# Altium PCB Armor_Plate.PcbDoc
Units mil, origin at the board's own origin, x right, y up, seen from the top; angles counter-clockwise.
Board outline 3169.29 x 1997.99 mil, 2 copper layers (Top Layer, Bottom Layer); 104 components, 85 nets, 406 pads, 162 vias.
Unrouted connection lines stored in the file: 7.
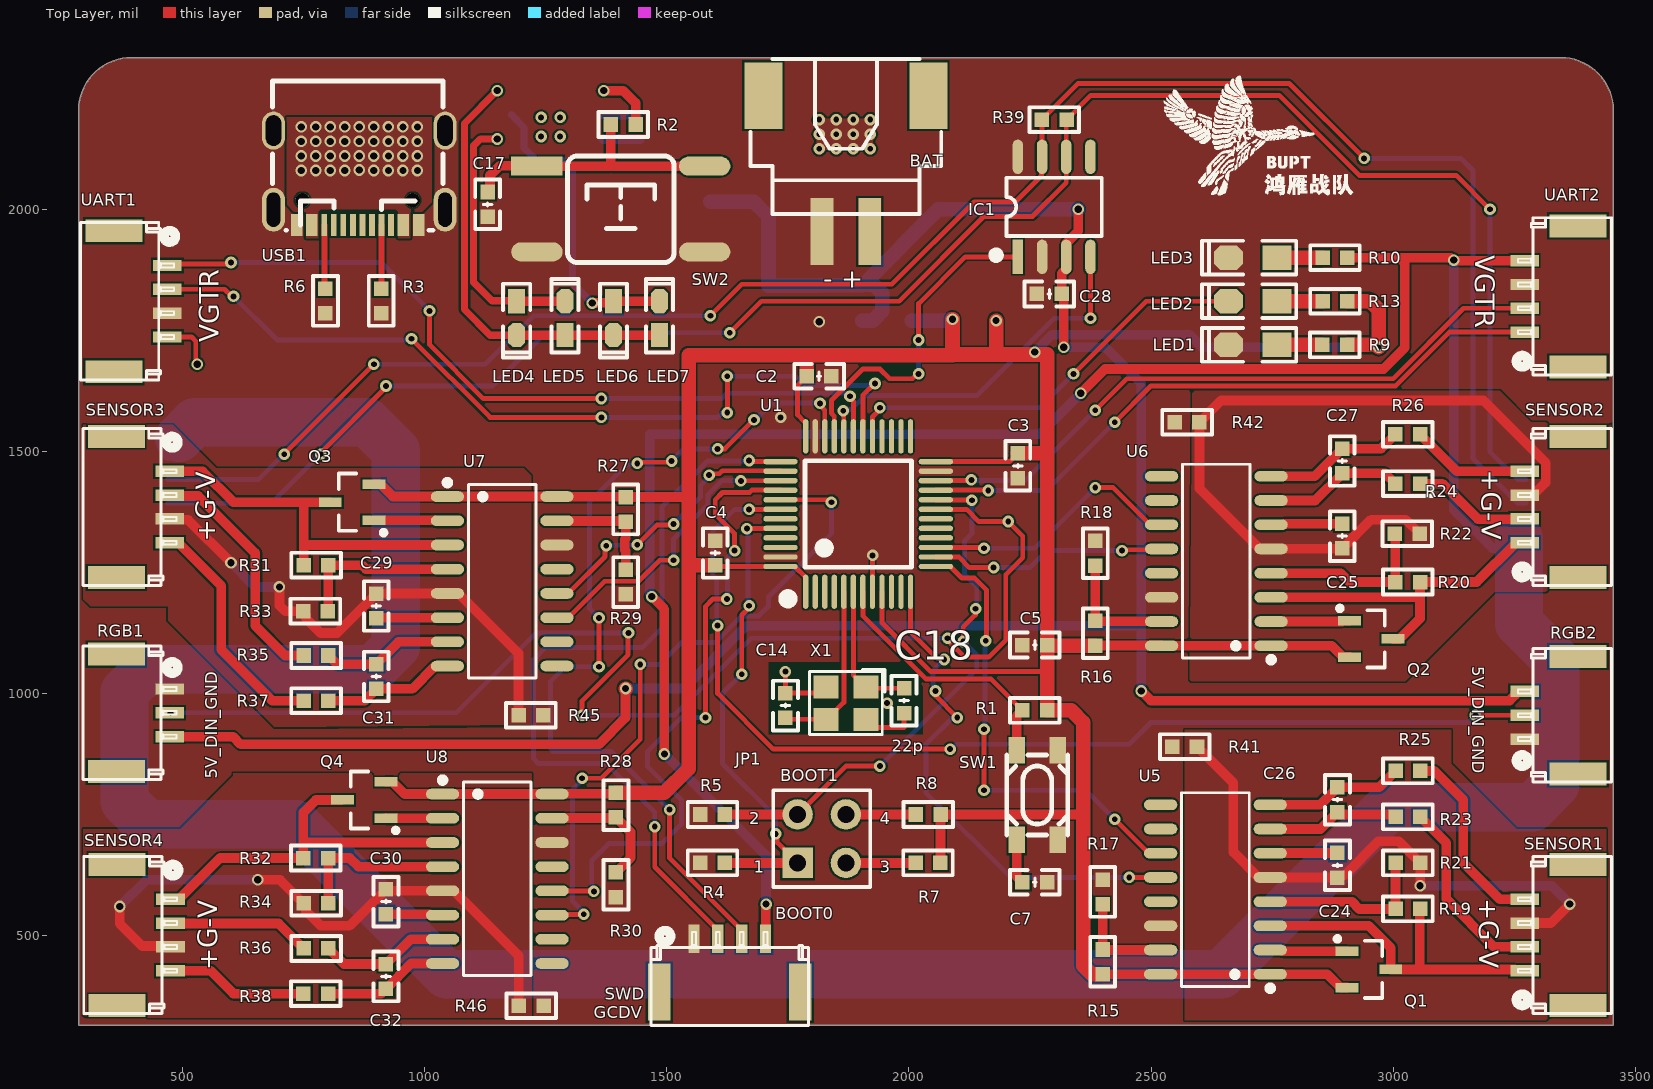
[diagram p0: Top Layer view]
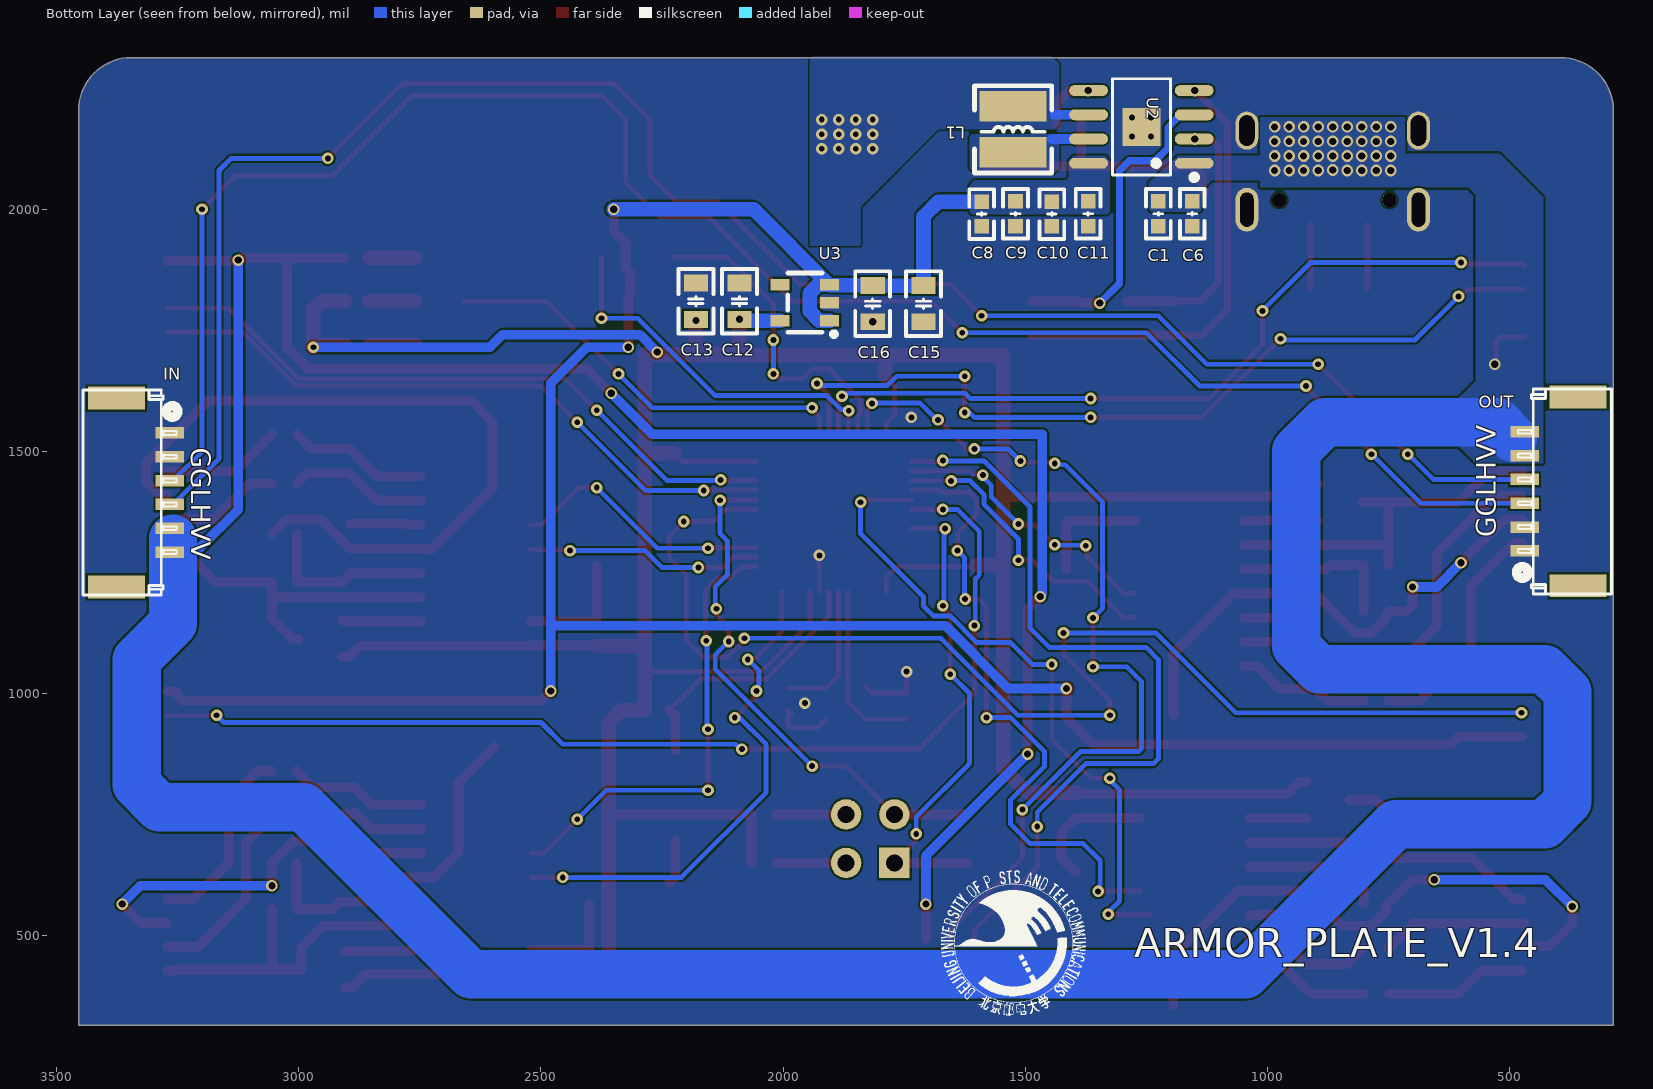
[diagram p1: Bottom Layer view, seen from below]

## Layer stack, top to bottom
Top Solder: solder mask 0.4, Solder Resist, Dk 3.5
Top Layer: signal copper 1.4
Dielectric 1: dielectric 12.6, FR-4, Dk 4.8
Bottom Layer: signal copper 1.4
Bottom Solder: solder mask 0.4, Solder Resist, Dk 3.5

## Board outline
285.43,315 3454.72,315 3454.72,2204.72 ccw(c3346.46,2204.72) 3346.46,2312.99 393.7,2312.99 ccw(c393.7,2204.72) 285.43,2204.72

## Design rules (kind name [scope] priority, off if disabled: settings)
Clearance [All] p1: gap=4 ignorepadtopadclearanceinfootprint=TRUE
HoleSize [All] p1: absolutevalues=TRUE maxlimit=300 minlimit=1 maxpercent=80.000 minpercent=20.000
MinimumSolderMaskSliver [All] p1: minsoldermaskwidth=0.1
PlaneConnect [All] p1: planeconnectstyle=Direct reliefexpansion=20 reliefentries=4 reliefconductorwidth=10 reliefairgap=10
PolygonConnect [All] p1: connectstyle=Direct reliefconductorwidth=10 reliefentries=4 polygonreliefangle="90 Angle" airgapwidth=10
RoutingVias [All] p1: holewidth=10 width=20 viastyle="Through Hole" minholewidth=5 minwidth=10 maxholewidth=100 maxwidth=150
SilkToSilkClearance [All] p1: silktosilkclearance=1
SilkToSolderMaskClearance [IsPad] p1 off: minsilkscreentomaskgap=1 clearancetoexposedcopper=TRUE
SolderMaskExpansion [All] p1: expansion=4 istentingtop=FALSE
Width [All] p1: maxlimit=100 minlimit=8 preferedwidth=10
25 further rules are at their usual default settings.

## Components (designator, comment, footprint, x,y, rotation, side; value= is the part's Value field where it differs from the comment)
BAT "HDR-1X2" XH2.54-WS-2P 1870,2150 r180 top
C1 "104" "C 0603_L" 1225,1990.59 r90 bottom
C2 "104" "C 0603_L" 1814.41,1655 r180 top
C3 "104" "C 0603_L" 2225,1470 r90 top
C4 "104" "C 0603_L" 1600,1290 r270 top
C5 "104" "C 0603_L" 2260,1100 r0 top
C6 "10u" "C 0603_L" 1155,1990.59 r90 bottom
C7 "104" "C 0603_L" 2260,610 r180 top
C8 "22u" "C 0603_L" 1590.01,1990 r90 bottom
C9 "22u" "C 0603_L" 1520,1990.59 r90 bottom
C10 "22u" "C 0603_L" 1445.01,1990 r90 bottom
C11 "22u" "C 0603_L" 1370,1990.59 r90 bottom
C12 "47u" "C 0805_L" 2090,1810 r270 bottom
C13 "104" "C 0805_L" 2180,1810 r270 bottom
C14 "22p" "C 0603_L" 1745,975 r90 top
C15 "47u" "C 0805_L" 1710,1805 r90 bottom
C16 "104" "C 0805_L" 1815,1805 r90 bottom
C17 "104" "C 0603_L" 1130,2010 r90 top
C18 "22p" "C 0603_L" 1990,985 r270 top
C24 "104" "C 0603_L" 2885,645 r270 top
C25 "104" "C 0603_L" 2895,1325 r270 top
C26 "104" "C 0603_L" 2885,780.59 r270 top
C27 "104" "C 0603_L" 2895,1480 r270 top
C28 "104" "C 0603_L" 2290,1825 r180 top
C29 "104" "C 0603_L" 900,1180.59 r90 top
C30 "104" "C 0603_L" 920,570 r90 top
C31 "104" "C 0603_L" 900,1035 r90 top
C32 "104" "C 0603_L" 920,415.59 r90 top
IC1 "TJA1050" SOP8_N 2300,2005 r90 top
IN "HDR-1X6" GH1.25-WS-6P 3365,1415 r90 bottom
JP1 "Header2X2" HDR2.54-LI-2x2P 1820,700 r0 top
L1 "1uH" CD31 1525,2165 r90 bottom
LED1 "红色" "LED 0805R" 2710,1720 r180 top
LED2 "蓝色" "LED 0805B" 2710,1810 r180 top
LED3 "红色" "LED 0805R" 2710,1900 r180 top
LED4 "25%" "LED 0603G" 1189.74,1775 r270 top
LED5 "50%" "LED 0603G" 1290.26,1775 r90 top
LED6 "75%" "LED 0603G" 1389.74,1775 r270 top
LED7 "100%" "LED 0603G" 1485.26,1775 r90 top
OUT "HDR-1X6" GH1.25-WS-6P 370,1417.32 r270 bottom
Q1 "SS8550" SOT23-3N 2950,430 r270 top
Q2 "SS8550" SOT23-3N 2955,1112.6 r270 top
Q3 "SS8550" SOT23-3N 850,1395 r90 top
Q4 "SS8550" SOT23-3N 875,780 r90 top
R1 "10K" "R 0603_L" 2260,965 r0 top
R2 "4.7K" "R 0603_L" 1410,2175 r0 top
R3 "5.1K" "R 0603_L" 910,1810.59 r90 top
R4 "10K" "R 0603_L" 1594.41,650 r0 top
R5 "10K" "R 0603_L" 1594.41,750 r180 top
R6 "5.1K" "R 0603_L" 795,1810.59 r90 top
R7 "1K" "R 0603_L" 2039.41,650 r180 top
R8 "1K" "R 0603_L" 2040,750 r0 top
R9 "4.7K" "R 0603_L" 2879.41,1720 r0 top
R10 "10K" "R 0603_L" 2880,1900 r0 top
R13 "4.7K" "R 0603_L" 2880,1810 r180 top
R15 "0" "R 0603_L" 2400,445.59 r270 top
R16 "0" "R 0603_L" 2385,1124.41 r270 top
R17 "0" "R 0603_L" 2400,590 r90 top
R18 "0" "R 0603_L" 2385,1289.41 r90 top
R19 "10K" "R 0603_L" 3030.59,555 r180 top
R20 "10K" "R 0603_L" 3030,1230 r180 top
R21 "10K" "R 0603_L" 3030.59,650 r180 top
R22 "10K" "R 0603_L" 3029.41,1330 r180 top
R23 "100" "R 0603_L" 3030.59,745 r180 top
R24 "100" "R 0603_L" 3029.99,1433.33 r180 top
R25 "100" "R 0603_L" 3030.59,840 r0 top
R26 "100" "R 0603_L" 3030,1535 r0 top
R27 "0" "R 0603_L" 1415,1380 r90 top
R28 "0" "R 0603_L" 1395,769.41 r90 top
R29 "0" "R 0603_L" 1415,1230 r270 top
R30 "0" "R 0603_L" 1395,605 r270 top
R31 "10K" "R 0603_L" 775.59,1265 r0 top
R32 "10K" "R 0603_L" 775,660 r0 top
R33 "10K" "R 0603_L" 774.41,1170 r0 top
R34 "10K" "R 0603_L" 775.59,566.67 r0 top
R35 "100" "R 0603_L" 775.59,1078.34 r0 top
R36 "100" "R 0603_L" 775.59,473.34 r0 top
R37 "100" "R 0603_L" 775.59,985 r180 top
R38 "100" "R 0603_L" 775,380 r180 top
R39 "120" "R 0603_L" 2300,2185 r0 top
R41 "0" "R 0603_L" 2569.41,890 r180 top
R42 "0" "R 0603_L" 2574.41,1560 r180 top
R45 "0" "R 0603_L" 1219.41,955 r0 top
R46 "0" "R 0603_L" 1220,355 r0 top
RGB1 "HDR-1X3" GH1.25-WS-3P 375,960 r90 top
RGB2 "HDR-1X3" GH1.25-WS-3P 3370,955 r270 top
SENSOR1 "HDR-1X4" GH1.25-WS-4P 3370,501.18 r270 top
SENSOR2 "HDR-1X4" GH1.25-WS-4P 3370,1385 r270 top
SENSOR3 "HDR-1X4" GH1.25-WS-4P 375,1385 r90 top
SENSOR4 "HDR-1X4" GH1.25-WS-4P 376.57,501.18 r90 top
SW1 "ST-1188" SW-SMD_4P-L4.2-W3.2-P2.15-LS5.2 2265,790 r180 top
SW2 "6x6x5" "TSW SMD-6*6*4.3" 1405,2000 r0 top
SWD "HDR-1X4" GH1.25-WS-4P 1630,395 r180 top
U1 "STM32F103C8T6A" "LQFP48 7X7_N" 1895.16,1370.45 r0 top
U2 "IP5306" SOP-8-EX 1150.98,2095 r0 bottom
U3 "RT9013-33GB" SOT-23-5_L3.0-W1.7-P0.95-LS2.8-BR 1955,1805 r180 bottom
U5 "HX711" SOP-16_L10.0-W3.9-P1.27-LS6.0-BL 2633.09,591.56 r90 top
U6 "HX711" SOP-16_L10.0-W3.9-P1.27-LS6.0-BL 2635,1270 r90 top
U7 "HX711" SOP-16_L10.0-W3.9-P1.27-LS6.0-BL 1160,1235 r270 top
U8 "HX711" SOP-16_L10.0-W3.9-P1.27-LS6.0-BL 1150,620.65 r270 top
UART1 "HDR-1X4" GH1.25-WS-4P 370,1810 r90 top
UART2 "HDR-1X4" GH1.25-WS-4P 3370,1820 r270 top
USB1 "" USB-C-SMD_KH-TYPE-C-16P 865,2065 r180 top
X1 "8M" "OSC 3225-4P" 1870,980 r180 top

## Footprints (in the part's own frame and the unit in brackets; to place one, negate y for a bottom-side part, rotate by r counter-clockwise, add the part's x,y. Pads: shape width x height; smd on the part's side, far side on the other; paste and mask are expansions set on the pad)
"C 0603_L" [mil] "无极性贴片电容"
  rect 30x30 smd: 1(-25.59,0) 2(25.59,0)
  silkscreen extent -51,-26 51,26, body extent -31,-16 31,16, height 32
"C 0805_L" [mil] "无极性贴片电容"
  rect 35x50 smd: 1(-37.4,0) 2(37.4,0)
  silkscreen extent -67,-36 67,36, body extent -39,-24 39,24, height 20
CD31 [mm] "3.5*3*1mm（长宽高）"
  rect 1.6x3.5 smd: 1(-1.2,0) 2(1.2,0)
  silkscreen extent -2.29,-2.03 2.29,2.03, body extent -1.72,-1.5 1.72,1.5, height 1.2
GH1.25-WS-3P [mm] "A1257WR-S-3P"
  rect 1.2x3 smd: 0(-3.075,0.3) 0(3.075,0.3)
  rect 0.6x1.5 smd: 1(1.25,-2.5) 2(0,-2.5) 3(-1.25,-2.5)
  silkscreen extent -3.5,-2.93 3.5,2.05, body extent -3.5,-2.8 3.5,2.1, height 4.4
GH1.25-WS-4P [mm] "A1257WR-S-4P"
  rect 1.2x3 smd: 0(-3.7,0.3) 0(3.7,0.3)
  rect 0.6x1.5 smd: 1(1.875,-2.5) 2(0.625,-2.5) 3(-0.625,-2.5) 4(-1.875,-2.5)
  silkscreen extent -4.13,-2.93 4.12,2.05, body extent -4.12,-2.8 4.12,2.1, height 4.4
GH1.25-WS-6P [mm] "A1257WR-S-6P"
  rect 1.2x3 smd: 0(-4.95,0.3) 0(4.95,0.3)
  rect 0.6x1.5 smd: 1(3.125,-2.5) 2(1.875,-2.5) 3(0.625,-2.5) 4(-0.625,-2.5) 5(-1.875,-2.5) 6(-3.125,-2.5)
  silkscreen extent -5.38,-2.93 5.37,2.05, body extent -5.38,-2.8 5.38,2.1, height 4.4
HDR2.54-LI-2x2P [mm]
  rect 1.6x1.6 hole 0.9: 1(-1.27,-1.27)
  round 1.6 hole 0.9: 2(-1.27,1.27) 3(1.27,-1.27) 4(1.27,1.27)
  silkscreen extent -2.54,-2.54 2.54,2.54, body extent -2.54,-2.54 2.54,2.54, height 8.5
"LED 0603G" [mil] "绿色0603LED"
  rect 50x35 smd: 1(-35,0.26)
  oct 50x35 smd: 2(35,0.26)
  silkscreen extent -71,-28 81,28, body extent -31,-16 31,16, height 24
"LED 0805B" [mil] "蓝色0805LED"
  rect 60x50 smd: 1(-50,0)
  oct 60x50 smd: 2(50,0)
  silkscreen extent -90,-35 105,35, body extent -39,-25 39,25, height 32
"LED 0805R" [mil] "红色0805LED"
  rect 60x50 smd: 1(-50,0)
  oct 60x50 smd: 2(50,0)
  silkscreen extent -90,-35 105,35, body extent -39,-25 39,25, height 32
"LQFP48 7X7_N" [mm] "48脚，体宽7x7mm，脚距0.5mm  https://item.taobao.com/item.htm?ft=t&id=613637044352"
  oval 0.279x1.8 smd: 1(-2.75,-4.075) 2(-2.25,-4.075) 3(-1.75,-4.075) 4(-1.25,-4.075) 5(-0.75,-4.075) 6(-0.25,-4.075) 7(0.25,-4.075) 8(0.75,-4.075) 9(1.25,-4.075) 10(1.75,-4.075) 11(2.25,-4.075) 12(2.75,-4.075) 25(2.75,4.075) 26(2.25,4.075) 27(1.75,4.075) 28(1.25,4.075) 29(0.75,4.075) 30(0.25,4.075) 31(-0.25,4.075) 32(-0.75,4.075) 33(-1.25,4.075) 34(-1.75,4.075) 35(-2.25,4.075) 36(-2.75,4.075)
  oval 1.8x0.279 smd: 13(4.075,-2.75) 14(4.075,-2.25) 15(4.075,-1.75) 16(4.075,-1.25) 17(4.075,-0.75) 18(4.075,-0.25) 19(4.075,0.25) 20(4.075,0.75) 21(4.075,1.25) 22(4.075,1.75) 23(4.075,2.25) 24(4.075,2.75) 37(-4.075,2.75) 38(-4.075,2.25) 39(-4.075,1.75) 40(-4.075,1.25) 41(-4.075,0.75) 42(-4.075,0.25) 43(-4.075,-0.25) 44(-4.075,-0.75) 45(-4.075,-1.25) 46(-4.075,-1.75) 47(-4.075,-2.25) 48(-4.075,-2.75)
  silkscreen extent -3.93,-4.69 2.79,2.79, body extent -4.5,-4.5 4.5,4.5, height 1.45
"OSC 3225-4P" [mm] "3.2*2.5*0.7mm(长宽高)  淘宝ID:小糖豆的小窝窝"
  rect 1.3x1.2 smd: 1(-1.05,-0.85) 2(1.05,-0.85) 3(1.05,0.85) 4(-1.05,0.85)
  silkscreen extent -2.03,-1.75 1.91,1.65, body extent -1.6,-1.25 1.6,1.25, height 0.7
"R 0603_L" [mil] "1/10W贴片电阻 https://item.taobao.com/item.htm?ft=t&id=613637044352"
  rect 30x30 smd: 1(-25.59,0) 2(25.59,0)
  silkscreen extent -51,-26 51,26, body extent -31,-16 32,16, height 16
SOP8_N [mm] "5*6*1.8mm（长宽高）淘宝ID:小糖豆的小窝窝"
  rect 1.8x0.55 smd: 1(-2.625,1.905)
  oval 1.8x0.55 smd: 2(-2.625,0.635) 3(-2.625,-0.635) 4(-2.625,-1.905) 5(2.625,-1.905) 6(2.625,-0.635) 7(2.625,0.635) 8(2.625,1.905)
  silkscreen extent -2.69,-2.5 1.52,3.2, body extent -3,-2.5 3,2.5, height 1.9
SOP-8-EX [mm]
  oval 2.038x0.574 smd: 1(0,0) 2(0,-1.27) 3(0,-2.54) 4(0,-3.81) 5(5.538,-3.81) 6(5.538,-2.54) 7(5.538,-1.27) 8(5.538,0)
  rect 2x2 smd: 9(2.769,-1.905)
  silkscreen extent -0.15,-4.43 4.29,0.89, body extent -0.35,-4.47 5.69,0.55, height 1.6
SOP-16_L10.0-W3.9-P1.27-LS6.0-BL [mm]
  oval 0.56x1.745 smd: 1(-4.357,-2.873) 2(-3.087,-2.873) 3(-1.817,-2.873) 4(-0.547,-2.873) 5(0.723,-2.873) 6(1.993,-2.873) 7(3.263,-2.873) 8(4.533,-2.873) 9(4.533,2.873) 10(3.263,2.873) 11(1.993,2.873) 12(0.723,2.873) 13(-0.547,2.873) 14(-1.817,2.873) 15(-3.087,2.873) 16(-4.357,2.873)
  silkscreen extent -5.24,-3.02 5.16,1.77
SOT23-3N [mm] "3x1.3x1mm(长宽高)"
  rect 0.5x1.2 smd: 1(-0.95,-1.143) 2(0.95,-1.143) 3(0,1.143)
  silkscreen extent -1.72,-1.78 1.5,0.7, body extent -1.5,-1.2 1.5,1.2, height 1.05
SOT-23-5_L3.0-W1.7-P0.95-LS2.8-BR [mm]
  rect 1x0.6 smd: 1(1.3,-0.899) 2(1.3,0.05) 3(1.3,1) 4(-1.3,1.001) 5(-1.3,-0.899)
  silkscreen extent -0.9,-1.73 1.65,1.6
SW-SMD_4P-L4.2-W3.2-P2.15-LS5.2 [mil]
  rect 33.5x55.1 smd mask+2: 1(42.3,92.5) 2(42.3,-92.5) 3(-42.3,92.5) 4(-42.3,-92.5)
  silkscreen extent -63,-83 63,83
"TSW SMD-6*6*4.3" [mm] "6*6*4.3mm"
  rect 2.7x1 smd: 1(-4.4,2.261)
  oval 2.7x1 smd: 2(-4.4,-2.239) 3(4.4,-2.239) 4(4.4,2.261)
  silkscreen extent -2.79,-2.79 2.79,2.79, body extent -4.5,-3 4.5,3, height 4.25
USB-C-SMD_KH-TYPE-C-16P [mm]
  oval 1.2x2 hole 0.8 slot 1.6 at 90 deg: 17(-4.5,-2.475) 19(4.5,-2.475)
  oval 1.2x2.3 hole 0.7 slot 1.8 at 90 deg: 18(-4.5,1.675) 20(4.5,1.675)
  rect 0.3x1.15 smd: A1(-3.263,2.473) A4(-2.462,2.471) A5(-1.162,2.475) A6(-0.162,2.475) A7(0.337,2.473) A9(2.638,2.475) A12(3.438,2.475) B1(3.138,2.475) B4(2.337,2.475) B5(1.838,2.475) B6(0.838,2.475) B7(-0.663,2.473) B9(-2.162,2.471) B12(-2.963,2.473)
  rect 0.3x1.148 smd: A8(-1.663,2.475) B8(1.337,2.475)
  round 0.75 hole 0.75 unplated: ""(-2.803,1.175) ""(2.978,1.175)
  silkscreen extent -4.38,-5.07 4.56,2.75, body extent -4.34,-5.14 4.6,2.76, height 3.25
XH2.54-WS-2P [mm] "长：10mm，宽：8mm，高：6.1mm"
  rect 2x3.5 smd: 0(-4.327,-2.15) 0(4.327,-2.15)
  rect 1.2x3.5 smd: 1(-1.25,4.981) 2(1.25,4.981)
  silkscreen extent -5,-4.06 5,4.06, body extent -5,-4 5,6.42, height 6.05

## Part data
BAT: library part "Header 2", "2P接插件", BOM名称=2P接插件, 下单链接=https://item.taobao.com/item.htm?ft=t&id=613637044352, 淘宝ID=小糖豆的小窝窝
C1 C2 C3 C4 C5 C6 C7 C8 C9 C10 C11 C12 C13 C14 C15 C16 C17 C18 C24 C25 C26 C27 C28 C29 C30 C31 C32: library part C, "贴片电容", BOM名称=贴片电容, 下单链接=https://item.taobao.com/item.htm?ft=t&id=613637044352, 淘宝ID=小糖豆的小窝窝
IC1: "CAN总线收发芯片", Alias1=https://item.taobao.com/item.htm?ft=t&id=613637044352, BOM名称=CAN总线收发芯片, 淘宝ID=小糖豆的小窝窝
IN OUT: library part "Header 6", "6P接插件", BOM名称=6P接插件, 下单链接=https://item.taobao.com/item.htm?ft=t&id=613637044352, 淘宝ID=小糖豆的小窝窝
JP1: library part "Header 2X2", "2*2P接插件", BOM名称=2*2P接插件, 下单链接=https://item.taobao.com/item.htm?ft=t&id=613637044352, 淘宝ID=小糖豆的小窝窝
L1: library part L-SMD, "CD系列贴片线绕功率电感", BOM名称=CD系列贴片线绕功率电感, 下单链接=https://item.taobao.com/item.htm?ft=t&id=613637044352, 淘宝ID=小糖豆的小窝窝
LED1 LED2 LED3 LED4 LED5 LED6 LED7: library part LED-SMD, "贴片LED", BOM名称=贴片LED, 下单链接=https://item.taobao.com/item.htm?ft=t&id=613637044352, 淘宝ID=小糖豆的小窝窝
Q1 Q2 Q3 Q4: library part 8550-SMD, "高频放大-PNP型", BOM名称=高频放大-PNP型, 下单链接=https://item.taobao.com/item.htm?ft=t&id=613637044352, 淘宝ID=小糖豆的小窝窝
R1 R2 R3 R4 R5 R6 R7 R8 R9 R10 R13 R15 R16 R17 R18 R19 R20 R21 R22 R23 R24 R25 R26 R27 R28 R29 R30 R31 R32 R33 R34 R35 R36 R37 R38 R39 R41 R42 R45 R46: library part R, "贴片电阻", BOM名称=贴片电阻, 下单链接=https://item.taobao.com/item.htm?ft=t&id=613637044352, 淘宝ID=小糖豆的小窝窝
RGB1 RGB2: library part "Header 3", "3P接插件", BOM名称=3P接插件, 下单链接=https://item.taobao.com/item.htm?ft=t&id=613637044352, 淘宝ID=小糖豆的小窝窝
SENSOR1 SENSOR2 SENSOR3 SENSOR4 SWD UART1 UART2: library part "Header 4", "4P接插件", BOM名称=4P接插件, 下单链接=https://item.taobao.com/item.htm?ft=t&id=613637044352, 淘宝ID=小糖豆的小窝窝
SW1: library part SW-SMD_4P-L4.2-W3.2-P2.15-LS5.2, Actuator/Cap Color=白色, Contact Current=50mA, Insulation Resistance=100MΩ, JLCPCB Part Class="Extended Part", LCSC Part Name=轻触开关四脚正按, Manufacturer=RISHENG(日昇), Operating Force=250gf@±50gf, Operating Temperature=-20℃~+85℃, Voltage Rating (DC)=12V, Actuator Style=椭圆形按钮, Add into BOM=yes, Circuit=单刀单掷, Convert to PCB=yes, Datasheet=https://atta.szlcsc.com/upload/public/pdf/source/20200922/C589212_9D19074D50EA2FDC5769A293FA310A99.pdf, Device=ST-1188, Manufacturer Part=ST-1188, Mechanical Life=100000, Mounting Style=立贴, Name=ST-1188, Pin Style=SMD接片, Strike Gundam=否, Supplier=LCSC, Supplier Footprint=SMD, Supplier Part=C589212, Switch Height=2.5mm, Switch Length=4.2mm, Switch Width=3.4mm, Symbol=ST-1188
SW2: library part "TSW SMD-6x6", "贴片6x6轻触开关", BOM名称=贴片6x6轻触开关, 下单链接=https://item.taobao.com/item.htm?ft=t&id=613637044352, 淘宝ID=小糖豆的小窝窝
U1: library part STM32F103C8T6, "STM32 ARM-based 32-bit MCU Performance Line with 64 kB Flash, 20 kB Internal RAM, -40 to +85癈 Temperature, 48-Pin LQFP, Tray", BOM名称=STM32F103C8T6A
U2: "移动电源IC"
USB1: library part TYPE-C-16M-005, "USB", BOM_Manufacturer=USAKRO(美韩), BOM_Manufacturer Part=TYPE-C-16M-005, BOM_Supplier=LCSC, BOM_Supplier Part=C2798173, Contributor=LCSC, spicePre=U, spiceSymbolName=TYPE-C-16M-005
X1: library part XTAL-4P, "4脚无源晶振", BOM名称=4脚无源晶振, 下单链接=https://item.taobao.com/item.htm?ft=t&id=613637044352, 淘宝ID=小糖豆的小窝窝

## Via types
v1: diameter 24, hole 12, Top Layer to Bottom Layer, 102 vias
v2: diameter 24, hole 15, Top Layer to Bottom Layer, 60 vias
